# Altium PCB nRF52840-kit.PcbDoc (part 2 of 5) (continued)
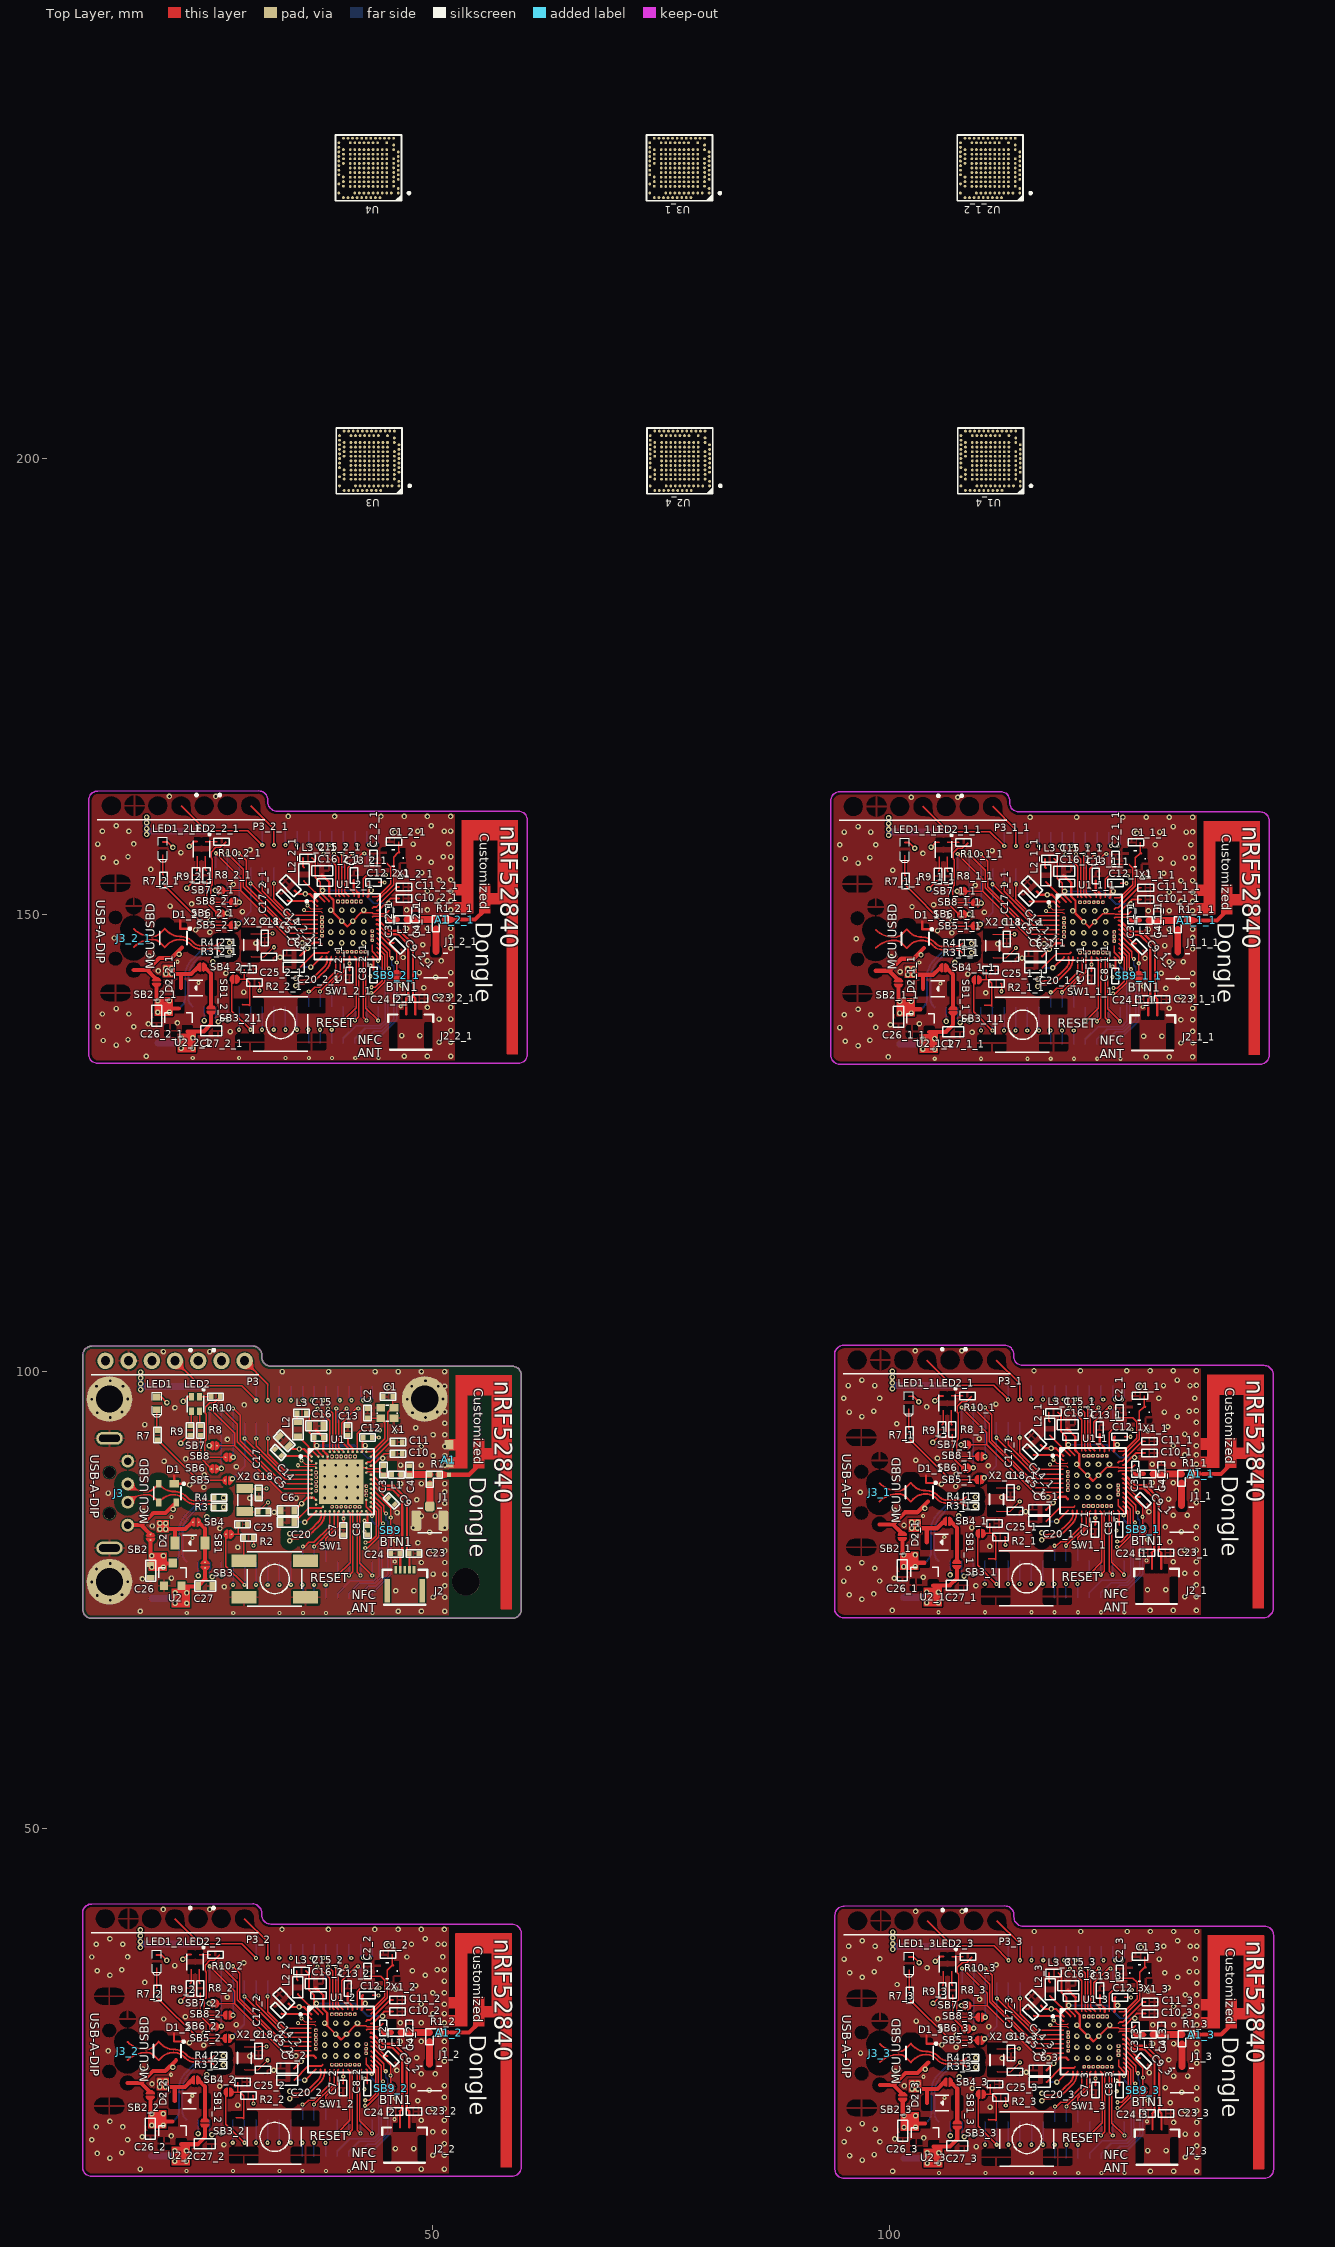
[diagram p0: Top Layer view]
## Nets (pads, with @x,y where several pads share a name; then routed paths per layer and width w, separated by ;. In a path a pad name is that pad's centre, name@x,y a point inside that pad or via, vN(x,y) a via of type N, cw(c..) or ccw(c..) an arc to the next point about the centre after c; other vN are vias at no path point) (continued)
DEC1: C5.2 U1.C1 | length 3.5
  Top Layer w0.203: C5.2@33.432,90.817 33.459,90.789 36.096,90.789 36.658,90.228 U1.C1@36.711,90.228
DEC2: C13.2 U1.A18 | length 2.1
  Top Layer w0.254: C13.2@40.693,93.078 40.693,92.13 41.211,91.612 U1.A18@41.211,91.228
DEC3: C11.1 U1.D23 | length 3.9
  Top Layer w0.203: U1.D23@42.711,89.978 42.853,90.12 43.156,90.12 45.345,92.308 C11.1@45.654,92.308
DEC4_6: C10.1 C15.2 C16.2 L3.2 U1.B5 U1.E24 | length 16.3
  Top Layer w0.203: L3.2@36.121,95.483 36.468,95.136 C15.2@36.468,94.105 36.468,93.366 C16.2@37.018,92.816 37.018,91.725 37.961,90.782 U1.B5@37.961,90.728 ; U1.E24@43.211,89.728 43.37,89.728 44.68,91.038 C10.1@45.654,91.038
  Bottom Layer w0.203: v1(37.269,91.932) 41.485,91.932 42.882,90.535 v1(44.508,90.535)
DEC5: C9.2 U1.N24 | length 2.8
  Top Layer w0.203: U1.N24@43.211,87.728 43.305,87.728 C9.2@44.823,86.21 ; C9.2@44.823,86.21 44.848,86.185 45.056,86.185 45.081,86.21 C9.2@44.823,86.21
DECUSB: C20.2 U1.AC5 | length 3.8
  Top Layer w0.203: C20.2@34.839,83.545 36.388,85.094 37.827,85.094 U1.AC5@37.961,85.228
GND: A1.2 C1.2 C2.2 C3.1 C4.1 C5.1 C6.1 C7.1 C8.1 C9.1 C10.2 C11.2 C12.1 C13.1 C14.1 C15.1 C16.1 C17.1 C18.1 C20.1 C21.1 C23.2 C24.1 C25.1 C26.1 C27.1 D1.1 J1.1 J1.2 J3.4 J3.5 P1.14 P1.16 P1.18 P1.20 P1.22 P1.24 P1.26 P2.2 P2.4 P2.6 P2.8 P2.10 P2.24 P2.26 P2.28 P3.2 pad.0@14.6,77.02 pad.0@14.6,97.02 pad.0@49.1,97.02 SB9.2 SW1.1 SW1.3 U1.74 U1.B7 U1.F23 U2.1 X1.2 X1.4 | length 15.6
  Top Layer w0.152: U1.74@39.961,87.978 v4(40.561,88.578) 41.461,89.478 U1.F23@42.711,89.478 42.802,89.387 44.216,89.387 C3.1@44.577,89.748 ; C12.1@43.352,92.816 44.052,92.816 v2(44.064,92.804) ; 45.384,81.525 45.384,82.169 SB9.2@45.384,82.344
  Top Layer w0.254: 21.689,88.615 D1.1@21.689,87.754 22.606,87.754 ; 37.155,93.679 C16.1@38.018,92.816 38.001,92.799 38.001,91.349 38.461,90.888 U1.B7@38.461,90.728 38.461,89.478 U1.74@39.961,87.978
  other v1: 17.981,73.797 46.2,73.797 48.74,73.797 51.28,73.797 14.673,75.009 50.01,75.321 51.28,75.321 13.273,75.509 15.973,75.609 45.921,76.052 47.921,76.052 27.15,76.489 51.28,76.591 12.673,77.009 16.601,77.02 18.209,77.327 21.384,77.429 50.01,77.861 51.28,77.861 13.173,78.409 16.073,78.409 14.673,79.009 48.74,79.131 51.28,79.131 50.01,80.401 51.28,80.401 28.649,80.807 48.359,81.29 45.946,81.544 51.28,81.671 20.318,81.849 49.629,82.433 26.693,82.865 47.851,82.941 51.28,82.941 19.273,83.125 48.74,84.211 50.264,84.211 46.073,84.592 32.611,84.617 18.286,84.744 51.28,85.608 48.232,85.989 29.97,86.167 35.028,86.188 14.476,86.725 51.28,86.878 24.94,87.36 23.366,87.614 46.454,87.767 48.74,87.767 51.28,87.767 30.655,88.478 24.966,88.732 28.496,89.621 46.454,89.799 48.74,89.799 51.28,89.799 20.573,90.225 22.934,90.459 50.01,90.815 51.28,90.815 48.74,91.831 51.28,91.831 27.506,92.593 50.01,93.101 51.28,93.101 45.946,93.482 48.131,93.888 18.473,94.225 51.28,94.371 14.673,95.009 49.173,95.009 13.273,95.509 47.773,95.509 15.973,95.609 50.473,95.609 51.28,95.641 21.765,96.073 29.335,96.377 12.673,97.009 16.601,97.02 47.173,97.009 51.101,97.02 45.184,98.308 13.173,98.409 16.073,98.409 47.673,98.409 50.573,98.409 51.273,98.425 14.673,99.009 49.173,99.009 33.5,100.025 38.58,100.025 43.66,100.025 46.2,100.025 48.74,100.025 51.273,100.025 20.505,102.219 25.585,102.219
  other v2: 23.061,73.594 28.141,73.594 33.221,73.594 35.761,73.594 38.301,73.594 40.841,73.594 43.381,73.594 45.821,79.252 23.673,81.825 42.515,82.542 21.373,84.125
  other v4: 38.161,86.178 39.361,86.178 40.561,86.178 41.761,86.178 38.161,87.378 39.361,87.378 40.561,87.378 41.761,87.378 38.161,88.578 39.361,88.578 41.761,88.578 38.161,89.778 39.361,89.778 40.561,89.778 41.761,89.778
NetC3_2: C3.2 L1.1 U1.H23 | length 3
  Top Layer w0.152: U1.H23@42.711,88.978 42.816,89.082 44.243,89.082 C3.2@44.577,88.748
  Top Layer w0.508: C3.2@44.577,88.748 45.492,88.748 L1.1@45.5,88.74
NetC25_2: C25.2 R2.1 SB1.2 SW1.2 SW1.4 | length 6.1
  Top Layer w0.152: SB1.2@27.967,82.224 28.671,82.224 ; SW1.4@28.511,79.473 28.468,79.43 29.209,79.43 SW1.4@29.317,79.322 29.317,80.675 29.314,80.678 R2.1@29.314,81.843 28.933,82.224 28.671,82.224 ; C25.2@28.679,83.316 28.679,82.232 28.671,82.224
NetD2_2: D2.2 SB3.1 SB4.2 | length 4.6
  Top Layer w0.457: SB4.2@24.36,83.545 24.509,83.396 25.064,82.841 D2.2@25.064,81.259 25.064,79.333 SB3.1@25.064,79.252
NetL2_1: L2.1 U1.B3 | length 3.2
  Top Layer w0.203: L2.1@35.232,92.955 35.234,92.955 U1.B3@37.461,90.728
NetL2_2: L2.2 L3.1 | length 1.1
  Top Layer w0.203: L3.1@35.121,95.483 35.121,94.566 L2.2@35.232,94.455
NetLED1_1: LED1.1 R7.2 | length 2.3
  Top Layer w0.152: LED1.1@19.786,95.848 19.786,93.659 R7.2@19.87,93.575
NetLED2_1: LED2.1 R10.2 | length 1.3
  Top Layer w0.152: LED2.1@24.454,97.283 25.693,97.283 R10.2@25.715,97.261
NetLED2_3: LED2.3 R9.2 | length 1.7
  Top Layer w0.152: R9.2@23.421,94.078 23.554,94.211 LED2.3@23.554,95.683
NetLED2_4: LED2.4 R8.2 | length 1.7
  Top Layer w0.152: LED2.4@24.454,95.683 24.454,94.188 R8.2@24.564,94.078
NetR7_1: R7.1 SB5.1 | length 9.2
  Top Layer w0.152: R7.1@19.87,92.575 24.339,88.107 27.047,88.107 SB5.1@27.222,88.107
NetR8_1: R8.1 SB6.1 | length 4.2
  Top Layer w0.152: R8.1@24.564,93.078 24.564,90.569 25.607,89.526 SB6.1@25.756,89.377
NetR9_1: R9.1 SB7.1 | length 4.6
  Top Layer w0.152: v1(22.41,92.186) 23.302,93.078 R9.1@23.421,93.078
  Bottom Layer w0.152: v1(22.41,92.186) 22.668,91.928 v1(25.522,91.928)
NetR10_1: R10.1 SB8.1 | length 9.7
  Top Layer w0.152: R10.1@26.715,97.261 26.085,96.631 25.585,96.631 25.077,96.123 25.077,95.488 25.204,95.361 25.204,92.567 25.019,92.383 25.019,91.101 25.474,90.647 27.106,90.647 SB8.1@27.28,90.647
NFC1: C24.2 J2.2 U1.L24 | length 12.1
  Top Layer w0.254: U1.L24@43.211,88.228 43.308,88.228 44.396,87.14 45.539,87.14 46.654,86.025 46.654,80.378 C24.2@46.392,80.116 46.421,80.087 J2.2@46.421,78.352
NFC2: C23.1 J2.4 U1.J24 | length 12.9
  Top Layer w0.254: U1.J24@43.211,88.728 43.347,88.728 44.554,87.521 45.697,87.521 47.162,86.056 47.162,80.378 C23.1@47.424,80.116 47.424,78.355 J2.4@47.421,78.352
P0.02/AIN0: P2.34 U1.A12 | length 6.6
  Top Layer w0.152: v2(39.415,95.991) 39.364,95.94 39.364,91.575 U1.A12@39.711,91.228
  Bottom Layer w0.152: v2(39.415,95.991) 39.555,95.851 P2.34@39.555,94.409
P0.03/AIN1: P2.33 U1.B13 | length 7.8
  Mid-Layer 1 w0.152: v2(39.809,96.885) 39.936,96.758 39.936,90.753 v3(39.961,90.728)
  Bottom Layer w0.152: P2.33@39.555,98.409 39.555,97.139 v2(39.809,96.885)
P0.04/AIN2: P2.20 U1.J1 | length 9.9
  Top Layer w0.152: v2(30.665,92.694) 30.665,91.918 33.855,88.728 U1.J1@36.711,88.728
  Bottom Layer w0.152: v2(30.665,92.694) P2.20@30.665,94.409
P0.05/AIN3: P2.25 U1.K2 | length 11.9
  Mid-Layer 1 w0.152: v2(34.475,96.885) 34.475,89.773 35.77,88.478 v3(37.211,88.478)
  Bottom Layer w0.152: v2(34.475,96.885) P2.25@34.475,98.409
P0.06: P2.18 SB5.2 U1.L1 | length 15.8
  Top Layer w0.152: v2(29.395,92.694) 33.861,88.228 U1.L1@36.711,88.228
  Bottom Layer w0.152: v1(28.055,88.3) 29.395,89.64 v2(29.395,92.694) P2.18@29.395,94.409
P0.07: P2.23 U1.M2 | length 13.5
  Mid-Layer 1 w0.152: v2(33.205,96.885) 33.205,89.646 34.873,87.978 v3(37.211,87.978)
  Bottom Layer w0.152: v2(33.205,96.885) P2.23@33.205,98.409
P0.08: P2.16 SB8.2 U1.N1 | length 19
  Top Layer w0.152: v2(28.125,95.996) 28.887,95.234 28.887,92.44 33.599,87.728 U1.N1@36.711,87.728
  Bottom Layer w0.152: v2(28.125,95.996) P2.16@28.125,94.409 28.139,94.396 v1(28.139,90.635)
P0.11: P2.19 P3.4 U1.T2 | length 26.2
  Top Layer w0.152: P3.4@21.775,101.203 24.526,98.452 29.098,98.452 v2(30.665,96.885)
  Mid-Layer 1 w0.152: v2(30.665,96.885) 31.427,96.123 31.427,90.408 34.857,86.978 v3(37.211,86.978)
  Bottom Layer w0.152: v2(30.665,96.885) P2.19@30.665,98.409
P0.12: P2.12 SB7.2 U1.U1 | length 19.3
  Top Layer w0.152: v2(25.585,95.996) 28.328,93.253 28.328,91.917 ; SB7.2@26.381,91.917 26.555,91.917 28.328,91.917 ; U1.U1@36.711,86.728 33.517,86.728 28.328,91.917
  Bottom Layer w0.152: P2.12@25.585,94.409 v2(25.585,95.996)
P0.13: P1.27 U1.AD8 | length 7.2
  Top Layer w0.152: v2(35.757,80.878) 35.961,80.878 36.416,81.333 36.974,81.333 38.711,83.07 U1.AD8@38.711,84.728
  Bottom Layer w0.152: P1.27@35.745,79.211 35.757,79.223 v2(35.757,80.878)
P0.14: P1.13 U1.AC9 | length 19.7
  Mid-Layer 1 w0.152: v2(26.842,77.703) 28.733,77.703 29.876,78.846 37.535,78.846 38.961,80.272 v3(38.961,85.228)
  Bottom Layer w0.152: v2(26.842,77.703) 26.855,77.716 P1.13@26.855,79.211
P0.15: P1.29 U1.AD10 | length 6.4
  Top Layer w0.152: v2(37.002,80.878) 39.211,83.087 U1.AD10@39.211,84.728
  Bottom Layer w0.152: v2(37.002,80.878) 37.002,79.224 P1.29@37.015,79.211
P0.16: P1.15 U1.AC11 | length 20.3
  Mid-Layer 1 w0.152: v2(28.112,76.687) 29.992,78.567 37.668,78.567 39.461,80.36 v3(39.461,85.228)
  Bottom Layer w0.152: v2(28.112,76.687) 28.125,76.7 P1.15@28.125,79.211
P0.17: P1.31 U1.AD12 | length 6.1
  Top Layer w0.152: v1(38.272,80.903) 38.272,81.753 39.567,83.048 39.567,84.584 U1.AD12@39.711,84.728
  Bottom Layer w0.152: v1(38.272,80.903) 38.272,79.224 P1.31@38.285,79.211
P0.18/RST: P1.17 SB1.1 U1.AC13 | length 26
  Top Layer w0.152: SB1.1@27.342,82.224 27.342,81.871 27.342,78.727 v2(29.382,76.687)
  Mid-Layer 1 w0.152: v2(29.382,76.687) 30.982,78.287 37.784,78.287 39.961,80.465 39.961,83.215 39.741,83.435 39.741,84.29 39.961,84.51 v3(39.961,85.228)
  Bottom Layer w0.152: v2(29.382,76.687) 29.382,79.197 P1.17@29.395,79.211
P0.19: P1.19 U1.AC15 | length 18.8
  Mid-Layer 1 w0.152: v2(30.652,76.687) 31.973,78.008 37.899,78.008 40.461,80.57 40.461,83.189 40.682,83.41 40.682,84.31 40.461,84.531 v3(40.461,85.228)
  Bottom Layer w0.152: v2(30.652,76.687) 30.665,76.7 P1.19@30.665,79.211
P0.20: P1.33 U1.AD16 | length 9.2
  Top Layer w0.152: v2(39.542,77.728) 40.932,79.118 40.932,84.507 U1.AD16@40.711,84.728
  Bottom Layer w0.152: v2(39.542,77.728) 39.555,77.741 P1.33@39.555,79.211
P0.21: P1.21 U1.AC17 | length 17.8
  Mid-Layer 1 w0.152: v2(31.922,76.687) 32.963,77.728 38.015,77.728 40.961,80.675 v3(40.961,85.228)
  Bottom Layer w0.152: v2(31.922,76.687) 31.922,79.197 P1.21@31.935,79.211
P0.22: P1.35 U1.AD18 | length 8.7
  Top Layer w0.152: v2(40.812,77.703) 41.211,78.102 U1.AD18@41.211,84.728
  Bottom Layer w0.152: v2(40.812,77.703) 40.825,77.716 P1.35@40.825,79.211
P0.23: P1.23 U1.AC19 | length 16.9
  Mid-Layer 1 w0.152: v2(33.192,76.687) 33.929,77.424 38.105,77.424 41.461,80.779 v3(41.461,85.228)
  Bottom Layer w0.152: v2(33.192,76.687) 33.205,76.7 P1.23@33.205,79.211
P0.24: P1.37 U1.AD20 | length 8.7
  Top Layer w0.152: U1.AD20@41.711,84.728 41.711,78.074 v2(42.082,77.703)
  Bottom Layer w0.152: v2(42.082,77.703) 42.095,77.716 P1.37@42.095,79.211
P0.25: P1.25 U1.AC21 | length 16.1
  Mid-Layer 1 w0.152: v2(34.462,76.687) 34.919,77.144 38.221,77.144 41.961,80.884 v3(41.961,85.228)
  Bottom Layer w0.152: v2(34.462,76.687) 34.462,79.197 P1.25@34.475,79.211
P0.26: P2.22 U1.G1 | length 8.9
  Top Layer w0.152: v2(31.935,92.694) 31.935,91.043 33.75,89.228 U1.G1@36.711,89.228
  Bottom Layer w0.152: v2(31.935,92.694) P2.22@31.935,94.409
P0.27: P2.27 U1.H2 | length 10
  Mid-Layer 1 w0.152: v2(35.745,96.885) 35.745,92.313 37.211,90.847 v3(37.211,88.978)
  Bottom Layer w0.152: v2(35.745,96.885) P2.27@35.745,98.409
P0.28/AIN4: P2.31 U1.B11 | length 8.4
  Mid-Layer 1 w0.152: v2(38.031,96.885) 38.031,93.329 39.461,91.899 v3(39.461,90.728)
  Bottom Layer w0.152: v2(38.031,96.885) 38.285,97.139 P2.31@38.285,98.409
P0.29/AIN5: P2.32 U1.A10 | length 6.7
  Top Layer w0.152: v2(38.526,95.991) 39.059,95.458 39.059,91.38 U1.A10@39.211,91.228
  Bottom Layer w0.152: P2.32@38.285,94.409 38.285,95.75 v2(38.526,95.991)
P0.30/AIN6: P2.29 U1.B9 | length 8.7
  Mid-Layer 1 w0.152: v2(36.761,96.885) 36.761,93.837 38.961,91.637 v3(38.961,90.728)
  Bottom Layer w0.152: v2(36.761,96.885) 37.015,97.139 P2.29@37.015,98.409
P0.31/AIN7: P2.30 U1.A8 | length 7
  Top Layer w0.152: v2(37.383,95.991) 38.711,94.663 U1.A8@38.711,91.228
  Bottom Layer w0.152: P2.30@37.015,94.409 37.015,95.623 v2(37.383,95.991)
P1.00: P1.39 U1.AD22 | length 9.2
  Top Layer w0.152: U1.AD22@42.211,84.728 41.991,84.507 41.991,79.064 v2(43.352,77.703)
  Bottom Layer w0.152: v2(43.352,77.703) 43.365,77.716 P1.39@43.365,79.211
P1.01: P1.34 U1.Y23 | length 14.7
  Top Layer w0.152: U1.Y23@42.711,85.978 42.711,85.252 43.327,84.637 v2(43.327,84.205)
  Bottom Layer w0.152: P1.34@39.555,75.211 39.555,75.735 40.939,77.119 43.527,77.119 44.1,77.692 44.1,82.949 43.327,83.723 v2(43.327,84.205)
P1.02: P1.36 U1.W24 | length 14.2
  Top Layer w0.152: U1.W24@43.211,86.186 U1.W24@43.211,86.228 44.339,85.1 44.339,83.599 v2@44.47,83.469
  Bottom Layer w0.152: P1.36@40.825,75.211 40.812,75.224 40.812,75.722 41.93,76.839 43.643,76.839 44.379,77.576 44.379,83.393 v2(44.546,83.393)
P1.03: P1.28 U1.V23 | length 16.7
  Mid-Layer 2 w0.152: v2(35.732,76.687) 38.196,79.151 41.904,79.151 43.174,80.421 43.174,83.672 42.712,84.135 v3(42.712,86.478)
  Bottom Layer w0.152: v2(35.732,76.687) 35.732,75.224 P1.28@35.745,75.211
P1.04: P1.38 U1.U24 | length 13.9
  Top Layer w0.152: U1.U24@43.211,86.728 44.618,85.321 44.618,84.717 v2@44.774,84.561
  Bottom Layer w0.152: P1.38@42.095,75.211 42.095,75.735 42.895,76.535 43.733,76.535 45.054,77.855 45.054,83.621 44.851,83.824 v2(44.851,84.51)
P1.05: P1.30 U1.T23 | length 16.8
  Mid-Layer 2 w0.152: v2(37.002,76.687) 39.186,78.871 42.02,78.871 43.758,80.61 43.758,86.15 42.93,86.978 v3(42.711,86.978)
  Bottom Layer w0.152: v2(37.002,76.687) 37.002,75.224 P1.30@37.015,75.211
P1.06: P1.40 SB9.1 U1.R24 | length 14.9
  Top Layer w0.152: U1.R24@43.211,87.228 43.297,87.228 45.384,85.141 v2(45.384,84.053) 45.384,83.143 SB9.1@45.384,82.968
  Bottom Layer w0.152: P1.40@43.365,75.211 43.365,75.76 45.384,77.779 v2(45.384,84.053)
P1.07: P1.32 U1.P23 | length 16.9
  Mid-Layer 2 w0.152: v2(38.272,76.687) 38.272,77.271 39.593,78.592 42.136,78.592 44.038,80.494 44.038,86.413 42.972,87.478 v3(42.711,87.478)
  Bottom Layer w0.152: v2(38.272,76.687) 38.272,75.224 P1.32@38.285,75.211
P1.08: P2.21 P3.7 U1.P2 | length 19.9
  Top Layer w0.152: P3.7@29.395,101.203 31.935,98.663 v2(31.935,96.885)
  Mid-Layer 1 w0.152: v2(31.935,96.885) 32.697,96.123 32.697,89.646 34.865,87.478 v3(37.211,87.478)
  Bottom Layer w0.152: v2(31.935,96.885) P2.21@31.935,98.409
P1.09: P2.14 SB6.2 U1.R1 | length 21.7
  Top Layer w0.152: SB6.2@26.381,89.377 26.43,89.425 26.553,89.425 v1(26.855,89.425) ; v2(26.855,95.996) 28.608,94.244 28.608,92.325 33.704,87.228 U1.R1@36.711,87.228
  Bottom Layer w0.152: v1(26.855,89.425) P2.14@26.855,94.409 v2(26.855,95.996)
P1.10: P2.40 U1.A20 | length 6.2
  Top Layer w0.152: U1.A20@41.711,91.228 41.711,93.233 42.082,93.603 v2(44.19,93.603)
  Bottom Layer w0.152: P2.40@43.365,94.409 43.365,93.692 43.454,93.603 v2(44.19,93.603)
P1.11: P2.39 U1.B19 | length 8.5
  Mid-Layer 1 w0.152: v3(41.461,90.728) 41.461,93.317 43.111,94.966 v2(43.111,96.885)
  Bottom Layer w0.152: v2(43.111,96.885) 43.365,97.139 P2.39@43.365,98.409
P1.12: P2.37 U1.B17 | length 8.4
  Mid-Layer 1 w0.152: v3(40.961,90.728) 40.961,93.288 42.349,94.676 v2(42.349,96.885)
  Bottom Layer w0.152: P2.37@42.095,98.409 42.095,97.139 v2(42.349,96.885)
P1.13: P2.38 U1.A16 | length 7.6
  Top Layer w0.152: U1.A16@40.711,91.228 40.711,91.645 40.025,92.332 40.025,94.391 41.625,95.991 v2(41.828,95.991)
  Bottom Layer w0.152: v2(41.828,95.991) 42.095,95.724 P2.38@42.095,94.409
P1.14: P2.35 U1.B15 | length 8
  Mid-Layer 1 w0.152: v3(40.461,90.728) 40.461,93.22 41.079,93.837 v2(41.079,96.885)
  Bottom Layer w0.152: P2.35@40.825,98.409 40.825,97.139 v2(41.079,96.885)
P1.15: P2.36 U1.A14 | length 7
  Top Layer w0.152: U1.A14@40.211,91.228 39.669,91.77 39.669,95.102 v2(40.558,95.991)
  Bottom Layer w0.152: v2(40.558,95.991) 40.825,95.724 P2.36@40.825,94.409
RF: C4.2 L1.2 R1.1 | length 3.2
  Top Layer w0.762: L1.2@46.5,88.74 C4.2@47.422,88.74 R1.1@49.657,88.74
RF1: J1.3 R1.3 | length 2.5
  Top Layer w0.762: J1.3@49.657,85.273 R1.3@49.657,87.74
SWDCLK: P1.11 P1.12 P3.6 U1.AA24 | length 52.4
  Top Layer w0.152: v2(42.59,80.726) 42.844,80.726 44.06,81.941 44.06,84.88 U1.AA24@43.211,85.728
  Mid-Layer 2 w0.152: P3.6@26.855,101.203 26.855,99.647 26.093,98.885 26.093,79.465 v1(24.315,77.687) 25.077,76.925 26.855,76.925 27.973,78.042 35.767,78.042 37.55,79.825 41.25,79.825 42.15,80.726 v2(42.59,80.726)
  Bottom Layer w0.152: v1(24.315,77.687) 24.315,79.211
SWDIO: P1.9 P1.10 P3.5 U1.AC24 | length 49.2
  Top Layer w0.152: v2(42.615,81.335) 43.047,81.335 43.78,82.068 43.78,84.659 U1.AC24@43.211,85.228
  Mid-Layer 1 w0.152: P3.5@24.315,101.203 24.315,79.084 v1(25.839,77.56)
  Mid-Layer 2 w0.152: v1(25.839,77.56) 26.601,78.322 35.651,78.322 37.434,80.105 41.134,80.105 42.365,81.335 v2(42.615,81.335)
  Bottom Layer w0.152: 25.585,79.211 25.585,77.814 v1(25.839,77.56)
V5V: C26.2 P1.1 P1.3 SB2.2 U2.3 | length 5.1
  Top Layer w0.457: SB2.2@19.095,81.582 C26.2@19.095,78.961 19.145,79.011 U2.3@21.521,79.011
  other v1: 19.235,78.597 20.505,78.597 19.235,79.867 20.505,79.867
VBUS: C21.2 D1.4 J3.1 SB2.1 U1.AD2 | length 25.3
  Top Layer w0.203: v1(35.969,83.545) 36.028,83.545 U1.AD2@37.211,84.728
  Top Layer w0.457: J3.1@16.6,83.22 18.081,83.22 ; SB2.1@19.095,82.206 18.946,82.355 18.081,83.22 ; D1.4@21.889,85.704 20.722,84.537 19.398,84.537 18.081,83.22
  Mid-Layer 1 w0.203: v1(25.268,84.142) 25.865,83.545 v1(35.969,83.545)
  Mid-Layer 2 w0.203: v1(21.56,84.955) 22.372,84.142 v1(25.268,84.142)
  Bottom Layer w0.203: C21.2@35.144,83.545 v1(35.969,83.545)
VDD_nRF: C6.2 C7.2 C8.2 C12.2 C14.2 D2.1 LED1.2 LED2.2 P2.1 P2.3 P2.5 P2.7 P2.9 P3.1 P3.3 R2.2 SB4.1 U1.A22 U1.AD14 U1.AD23 U1.B1 U1.W1 U1.Y2 | length 25.7
  Top Layer w0.152: v2(30.373,80.98) R2.2@30.373,81.784
  Top Layer w0.203: LED1.2@19.786,97.245 20.272,97.245 v1(20.886,96.631) ; v1(22.664,96.758) 23.189,97.283 LED2.2@23.554,97.283 ; R2.2@30.314,81.843 R2.2@30.373,81.784 ; C7.2@40.185,83.156 40.211,83.182 U1.AD14@40.211,84.728 ; v2(42.514,83.697) 42.827,83.697 ; U1.AD23@42.711,84.728 42.827,84.613 42.827,83.697 ; C8.2@42.827,83.156 42.827,83.697
  Top Layer w0.254: C14.2@34.238,91.905 34.597,91.546 35.893,91.546 U1.B1@36.711,90.728 ; C6.2@34.839,84.815 36.252,86.228 U1.W1@36.711,86.228 36.961,86.228 U1.Y2@37.211,85.978 ; U1.A22@42.211,91.228 42.294,91.311 42.294,92.758 C12.2@42.352,92.816
  Top Layer w0.457: v1@20.759,82.656 v1(20.759,82.788) 21.764,82.788 ; D2.1@21.762,81.261 D2.1@21.764,81.259 21.764,82.788 ; SB4.1@23.736,83.545 23.642,83.545 23.567,83.47 22.886,82.788 21.764,82.788
  Bottom Layer w0.762: 18.131,98.409 P2.1@19.235,98.409 P2.3@20.505,98.409 P2.5@21.775,98.409 P2.7@23.045,98.409 P2.9@24.315,98.409
  other v1: 20.124,82.788 20.124,83.423 20.759,83.423 35.618,85.582 35.364,91.551 42.603,91.932 18.004,98.061 18.004,98.696 18.004,99.331 18.004,99.966
  other v2: 40.202,83.926
XC1: C1.1 U1.B24 X1.1 | length 7.8
  Top Layer w0.152: U1.B24@43.211,90.728 45.028,92.545 45.028,95.585 45.502,96.058 X1.1@45.736,96.058 45.579,96.215 C1.1@45.579,97.286
XC2: C2.1 U1.A23 X1.3 | length 6.5
  Top Layer w0.152: U1.A23@42.711,91.228 43.316,91.228 44.749,92.661 44.749,94.445 X1.3@44.286,94.908 42.927,94.908 C2.1@42.852,94.983
XL1: C17.2 U1.D2 X2.2 | length 9.4
  Top Layer w0.127: X2.2@29.395,87.213 30.932,87.213 C17.2@30.944,87.225 v2(31.8,87.225) v2@31.808,87.233 ; v2(35.618,90.281) 35.999,89.9 37.134,89.9 U1.D2@37.211,89.978 U1.D2@37.211,89.9
  Mid-Layer 2 w0.127: v2(31.8,87.225) 34.856,90.281 v2(35.618,90.281)
XL2: C18.2 U1.F2 X2.1 | length 10.6
  Top Layer w0.127: X2.1@29.395,84.713 29.44,84.668 C18.2@30.902,84.668 31.935,85.701 v2(31.935,85.709) ; v2(35.237,89.773) 35.364,89.646 37.043,89.646 U1.F2@37.211,89.478 U1.F2@37.211,89.556
  Mid-Layer 2 w0.127: v2(31.935,85.709) 31.935,86.471 v2(35.237,89.773)
pads on no net: C21_3.1 C21_3.2 J2.0 J2.1 J2.3 J2.5 J3. P1_3.1 P1_3.2 P1_3.3 P1_3.4 P1_3.5 P1_3.6 P1_3.7 P1_3.8 P1_3.9 P1_3.10 P1_3.11 P1_3.12 P1_3.13 P1_3.14 P1_3.15 P1_3.16 P1_3.17 P1_3.18 P1_3.19 P1_3.20 P1_3.21 P1_3.22 P1_3.23 P1_3.24 P1_3.25 P1_3.26 P1_3.27 P1_3.28 P1_3.29 P1_3.30 P1_3.31 P1_3.32 P1_3.33 P1_3.34 P1_3.35 P1_3.36 P1_3.37 P1_3.38 P1_3.39 P1_3.40 P2.11 P2.13 P2.15 P2.17 P2_3.1 P2_3.2 P2_3.3 P2_3.4 P2_3.5 P2_3.6 P2_3.7 P2_3.8 P2_3.9 P2_3.10 P2_3.11 P2_3.12 P2_3.13 P2_3.14 P2_3.15 P2_3.16 P2_3.17 P2_3.18 P2_3.19 P2_3.20 P2_3.21 P2_3.22 P2_3.23 P2_3.24 P2_3.25 P2_3.26 P2_3.27 P2_3.28 P2_3.29 P2_3.30 P2_3.31 P2_3.32 P2_3.33 P2_3.34 P2_3.35 P2_3.36 P2_3.37 P2_3.38 P2_3.39 P2_3.40 R5_3.1 R5_3.2 R6_3.1 R6_3.2 U1.AB2 U1_4.74 U1_4.A8 U1_4.A10 U1_4.A12 U1_4.A14 U1_4.A16 U1_4.A18 U1_4.A20 U1_4.A22 U1_4.A23 U1_4.AA24 U1_4.AB2 U1_4.AC5 U1_4.AC9 U1_4.AC11 U1_4.AC13 U1_4.AC15 U1_4.AC17 U1_4.AC19 U1_4.AC21 U1_4.AC24 U1_4.AD2 U1_4.AD4 U1_4.AD6 U1_4.AD8 U1_4.AD10 U1_4.AD12 U1_4.AD14 U1_4.AD16 U1_4.AD18 U1_4.AD20 U1_4.AD22 U1_4.AD23 U1_4.B1 U1_4.B3 U1_4.B5 U1_4.B7 U1_4.B9 U1_4.B11 U1_4.B13 U1_4.B15 U1_4.B17 U1_4.B19 U1_4.B24 U1_4.C1 U1_4.D2 U1_4.D23 U1_4.E24 U1_4.F2 U1_4.F23 U1_4.G1 U1_4.H2 U1_4.H23 U1_4.J1 U1_4.J24 U1_4.K2 U1_4.L1 U1_4.L24 U1_4.M2 U1_4.N1 U1_4.N24 U1_4.P2 U1_4.P23 U1_4.R1 U1_4.R24 U1_4.T2 U1_4.T23 U1_4.U1 U1_4.U24 U1_4.V23 U1_4.W1 U1_4.W24 U1_4.Y2 U1_4.Y23 U2_1_2.74 U2_1_2.A8 U2_1_2.A10 U2_1_2.A12 U2_1_2.A14 U2_1_2.A16 U2_1_2.A18 U2_1_2.A20 U2_1_2.A22 U2_1_2.A23 U2_1_2.AA24 U2_1_2.AB2 U2_1_2.AC5 U2_1_2.AC9 U2_1_2.AC11 U2_1_2.AC13 U2_1_2.AC15 U2_1_2.AC17 U2_1_2.AC19 U2_1_2.AC21 U2_1_2.AC24 U2_1_2.AD2 U2_1_2.AD4 U2_1_2.AD6 U2_1_2.AD8 U2_1_2.AD10 U2_1_2.AD12 U2_1_2.AD14 U2_1_2.AD16 U2_1_2.AD18 U2_1_2.AD20 U2_1_2.AD22 U2_1_2.AD23 U2_1_2.B1 U2_1_2.B3 U2_1_2.B5 U2_1_2.B7 U2_1_2.B9 U2_1_2.B11 U2_1_2.B13 U2_1_2.B15 U2_1_2.B17 U2_1_2.B19 U2_1_2.B24 U2_1_2.C1 U2_1_2.D2 U2_1_2.D23 U2_1_2.E24 U2_1_2.F2 U2_1_2.F23 U2_1_2.G1 U2_1_2.H2 U2_1_2.H23 U2_1_2.J1 U2_1_2.J24 U2_1_2.K2 U2_1_2.L1 U2_1_2.L24 U2_1_2.M2 U2_1_2.N1 U2_1_2.N24 U2_1_2.P2 U2_1_2.P23 U2_1_2.R1 U2_1_2.R24 U2_1_2.T2 U2_1_2.T23 U2_1_2.U1 U2_1_2.U24 U2_1_2.V23 U2_1_2.W1 U2_1_2.W24 U2_1_2.Y2 U2_1_2.Y23 U2_4.74 U2_4.A8 U2_4.A10 U2_4.A12 U2_4.A14 U2_4.A16 U2_4.A18 U2_4.A20 U2_4.A22 U2_4.A23 U2_4.AA24 U2_4.AB2 U2_4.AC5 U2_4.AC9 U2_4.AC11 U2_4.AC13 U2_4.AC15 U2_4.AC17 U2_4.AC19 U2_4.AC21 U2_4.AC24 U2_4.AD2 U2_4.AD4 U2_4.AD6 U2_4.AD8 U2_4.AD10 U2_4.AD12 U2_4.AD14 U2_4.AD16 U2_4.AD18 U2_4.AD20 U2_4.AD22 U2_4.AD23 U2_4.B1 U2_4.B3 U2_4.B5 U2_4.B7 U2_4.B9 U2_4.B11 U2_4.B13 U2_4.B15 U2_4.B17 U2_4.B19 U2_4.B24 U2_4.C1 U2_4.D2 U2_4.D23 U2_4.E24 U2_4.F2 U2_4.F23 U2_4.G1 U2_4.H2 U2_4.H23 U2_4.J1 U2_4.J24 U2_4.K2 U2_4.L1 U2_4.L24 U2_4.M2 U2_4.N1 U2_4.N24 U2_4.P2 U2_4.P23 U2_4.R1 U2_4.R24 U2_4.T2 U2_4.T23 U2_4.U1 U2_4.U24 U2_4.V23 U2_4.W1 U2_4.W24 U2_4.Y2 U2_4.Y23 U3.74 U3.A8 U3.A10 U3.A12 U3.A14 U3.A16 U3.A18 U3.A20 U3.A22 U3.A23 U3.AA24 U3.AB2 U3.AC5 U3.AC9 U3.AC11 U3.AC13 U3.AC15 U3.AC17 U3.AC19 U3.AC21 U3.AC24 U3.AD2 U3.AD4 U3.AD6 U3.AD8 U3.AD10 U3.AD12 U3.AD14 U3.AD16 U3.AD18 U3.AD20 U3.AD22 U3.AD23 U3.B1 U3.B3 U3.B5 U3.B7 U3.B9 U3.B11 U3.B13 U3.B15 U3.B17 U3.B19 U3.B24 U3.C1 U3.D2 U3.D23 U3.E24 U3.F2 U3.F23 U3.G1 U3.H2 U3.H23 U3.J1 U3.J24 U3.K2 U3.L1 U3.L24 U3.M2 U3.N1 U3.N24 U3.P2 U3.P23 U3.R1 U3.R24 U3.T2 U3.T23 U3.U1 U3.U24 U3.V23 U3.W1 U3.W24 U3.Y2 U3.Y23 U3_1.74 U3_1.A8 U3_1.A10 U3_1.A12 U3_1.A14 U3_1.A16 U3_1.A18 U3_1.A20 U3_1.A22 U3_1.A23 U3_1.AA24 U3_1.AB2 U3_1.AC5 U3_1.AC9 U3_1.AC11 U3_1.AC13 U3_1.AC15 U3_1.AC17 U3_1.AC19 U3_1.AC21 U3_1.AC24 U3_1.AD2 U3_1.AD4 U3_1.AD6 U3_1.AD8 U3_1.AD10 U3_1.AD12 U3_1.AD14 U3_1.AD16 U3_1.AD18 U3_1.AD20 U3_1.AD22 U3_1.AD23 U3_1.B1 U3_1.B3 U3_1.B5 U3_1.B7 U3_1.B9 U3_1.B11 U3_1.B13 U3_1.B15 U3_1.B17 U3_1.B19 U3_1.B24 U3_1.C1 U3_1.D2 U3_1.D23 U3_1.E24 U3_1.F2 U3_1.F23 U3_1.G1 U3_1.H2 U3_1.H23 U3_1.J1 U3_1.J24 U3_1.K2 U3_1.L1 U3_1.L24 U3_1.M2 U3_1.N1 U3_1.N24 U3_1.P2 U3_1.P23 U3_1.R1 U3_1.R24 U3_1.T2 U3_1.T23 U3_1.U1 U3_1.U24 U3_1.V23 U3_1.W1 U3_1.W24 U3_1.Y2 U3_1.Y23 U4.74 U4.A8 U4.A10 U4.A12 U4.A14 U4.A16 U4.A18 U4.A20 U4.A22 U4.A23 U4.AA24 U4.AB2 U4.AC5 U4.AC9 U4.AC11 U4.AC13 U4.AC15 U4.AC17 U4.AC19 U4.AC21 U4.AC24 U4.AD2 U4.AD4 U4.AD6 U4.AD8 U4.AD10 U4.AD12 U4.AD14 U4.AD16 U4.AD18 U4.AD20 U4.AD22 U4.AD23 U4.B1 U4.B3 U4.B5 U4.B7 U4.B9 U4.B11 U4.B13 U4.B15 U4.B17 U4.B19 U4.B24 U4.C1 U4.D2 U4.D23 U4.E24 U4.F2 U4.F23 U4.G1 U4.H2 U4.H23 U4.J1 U4.J24 U4.K2 U4.L1 U4.L24 U4.M2 U4.N1 U4.N24 U4.P2 U4.P23 U4.R1 U4.R24 U4.T2 U4.T23 U4.U1 U4.U24 U4.V23 U4.W1 U4.W24 U4.Y2 U4.Y23